# Altium PCB ALCT_MEZ_LX150T.PcbDoc (part 6 of 8) (continued)
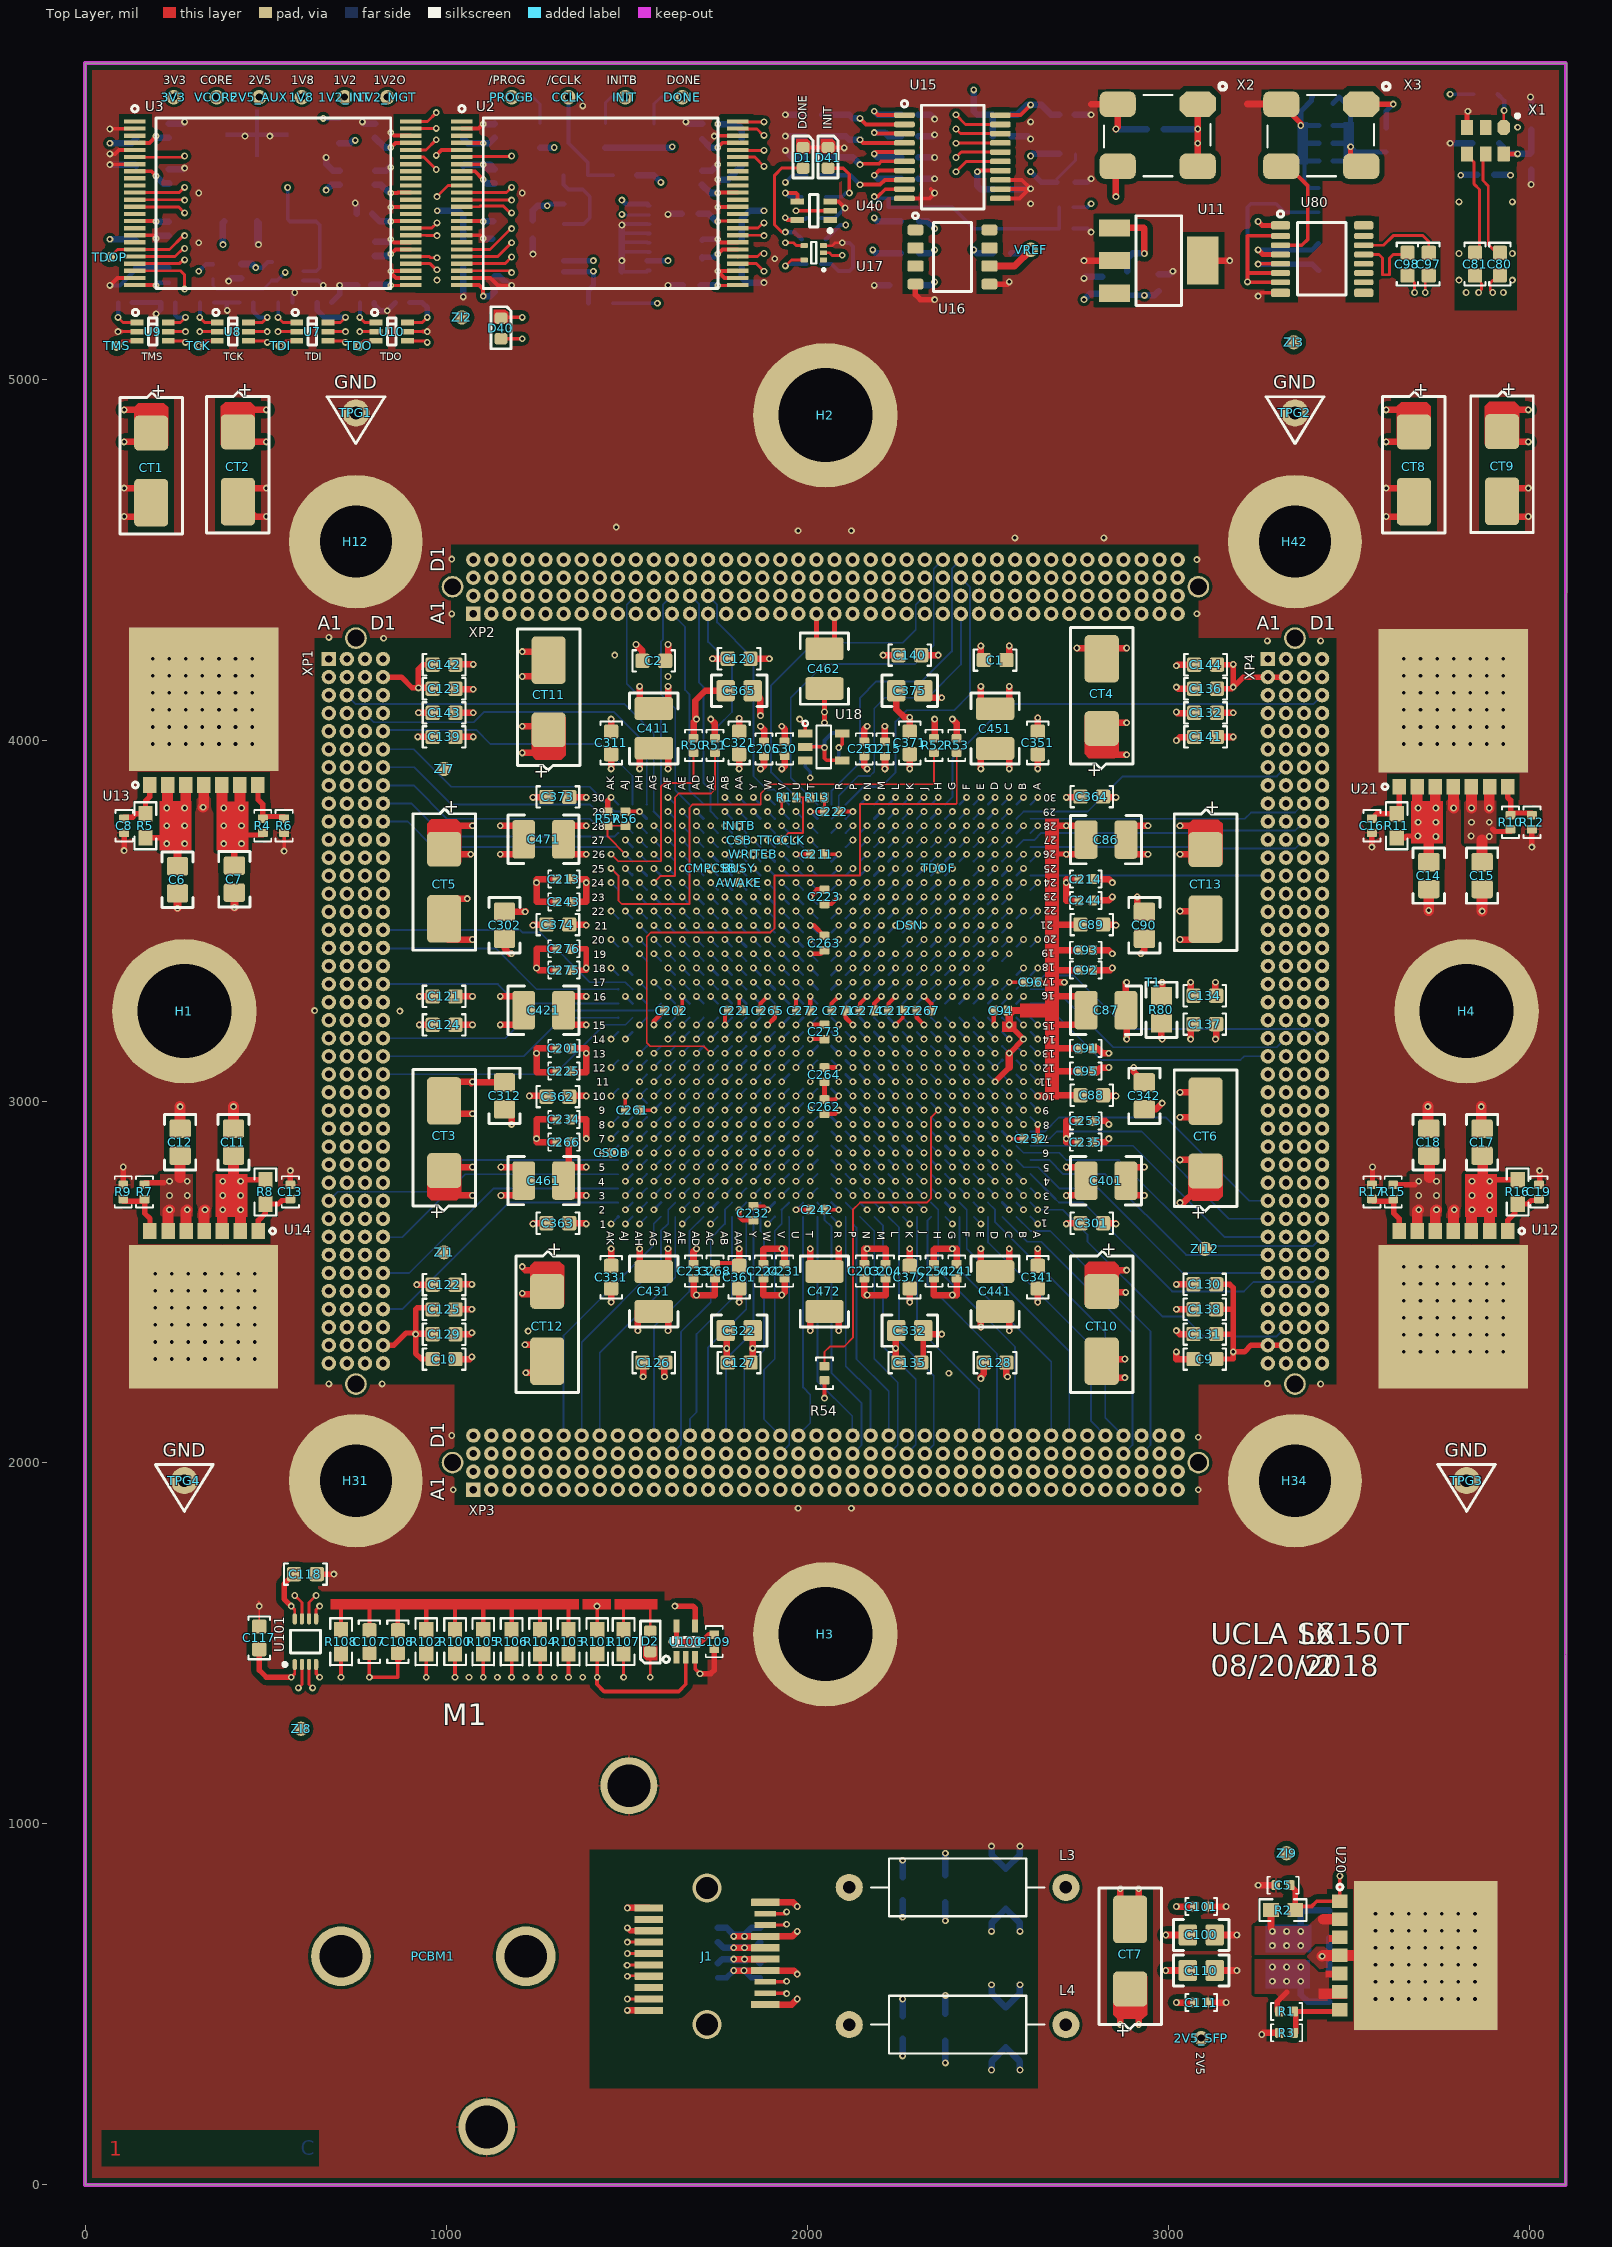
[diagram p0: Top Layer view]
## Nets (pads, with @x,y where several pads share a name; then routed paths per layer and width w, separated by ;. In a path a pad name is that pad's centre, name@x,y a point inside that pad or via, vN(x,y) a via of type N, cw(c..) or ccw(c..) an arc to the next point about the centre after c; other vN are vias at no path point) (continued)
  Bottom Layer w6: U1.K26@2263.78,3664.77 v1(2283.48,3684.45)
XP2D_37: U1.M30 XP2.D37 | length 1150.3
  Mid-Layer 7 w5: v1(2204.72,3841.93) 2195.07,3851.59 2195.07,3970.07 2214.57,3989.57 2519.69,3989.57 2850,4319.89 2850,4475.01 XP2.D37@2875,4500.01
  Bottom Layer w6: U1.M30@2185.04,3822.25 v1(2204.72,3841.93)
XP2D_38: U1.H26 XP2.D38 | length 1264.8
  Mid-Layer 2 w5: v1(2362.2,3684.45) 2382.07,3704.32 2382.07,3851.96 2460.63,3930.52 2460.63,4099.62 2529.53,4168.52 2846.27,4168.52 2903.36,4225.61 2903.36,4301.18 2900,4304.53 2900,4475.01 XP2.D38@2925,4500.01
  Bottom Layer w6: U1.H26@2342.52,3664.77 v1(2362.2,3684.45)
XP3A_3: U1.AB7 XP3.A3 | length 1319.4
  Mid-Layer 5 w5: XP3.A3@1174.41,1924.42 XP3.A3@1175,1923.83 ; XP3.A3@1175,1925.01 1199.5,1949.51 1199.5,2132.97 1247.54,2181.01 1247.54,2333.57 1594.49,2680.52 1700.82,2680.52 1712.79,2692.48 1712.79,2787 1724.22,2798.43 1740,2798.43 1751.79,2810.22 1751.79,2877.18 v1(1771.66,2897.05)
  Bottom Layer w6: v1(1771.66,2897.05) U1.AB7@1791.34,2916.74
XP3A_4: U1.AF3 XP3.A4 | length 1003.6
  Mid-Layer 4 w5: XP3.A4@1225,1925.01 1250.5,1950.51 1250.5,2277.47 1614.18,2641.15 v1(1614.18,2739.57)
  Bottom Layer w6: v1(1614.18,2739.57) U1.AF3@1633.86,2759.26
XP3A_5: U1.AA7 XP3.A5 | length 1298.9
  Mid-Layer 5 w5: XP3.A5@1275,1923.83 XP3.A5@1275.59,1924.42 ; XP3.A5@1275,1925.01 1300,1950.01 1300,2315.18 1625.97,2641.15 1740.18,2641.15 1751.8,2652.77 1751.8,2747.28 1763.58,2759.07 1779.37,2759.07 1791.16,2770.86 1791.16,2877.18 v1(1811.03,2897.05)
  Bottom Layer w6: v1(1811.03,2897.05) U1.AA7@1830.71,2916.74
XP3A_6: U1.AA3 XP3.A6 | length 1086.4
  Mid-Layer 5 w5: XP3.A6@1325,1923.83 XP3.A6@1325.59,1924.42 ; XP3.A6@1325,1925.01 1350,1950.01 1350,2290.85 1670.77,2611.62 1742.13,2611.62 1781.5,2650.99 1781.5,2710.03 v1(1811.03,2739.57)
  Bottom Layer w6: v1(1811.03,2739.57) U1.AA3@1830.71,2759.26
XP3A_7: U1.Y7 XP3.A7 | length 1229.4
  Mid-Layer 5 w5: XP3.A7@1375,1923.83 XP3.A7@1376.18,1925.01 ; XP3.A7@1375,1925.01 XP3.A7@1376.18,1925.01 ; v1(1850.39,2897.05) 1830.89,2877.55 1830.89,2651.17 1751.97,2572.25 1700.3,2572.25 1400,2271.95 1400,1948.83 XP3.A7@1376.18,1925.01
  Bottom Layer w6: v1(1850.39,2897.05) U1.Y7@1870.08,2916.74
XP3A_8: U1.AD2 XP3.A8 | length 934.3
  Mid-Layer 7 w5: XP3.A8@1425,1925.01 1400.5,1949.51 1400.5,2289.68 1673.23,2562.41 1673.23,2621.47 1692.91,2641.15 v1(1692.91,2700.19)
  Bottom Layer w6: v1(1692.91,2700.19) U1.AD2@1712.6,2719.89
XP3A_9: U1.AB9 XP3.A9 | length 1239.1
  Mid-Layer 4 w5: XP3.A9@1475,1923.82 1450.5,1948.32 1450.5,2313.12 1712.6,2575.22 1712.6,2944.3 1724.41,2956.11 1751.98,2956.11 v1(1771.66,2975.78)
  Bottom Layer w6: v1(1771.66,2975.78) U1.AB9@1791.34,2995.48
XP3A_10: U1.AC1 XP3.A10 | length 871
  Mid-Layer 4 w5: XP3.A10@1525,1923.82 1500.5,1948.32 1500.5,2301.1 1732.19,2532.79 v1(1732.19,2660.74)
  Bottom Layer w5: v1(1732.19,2660.74) U1.AC1@1751.97,2680.52
XP3A_11: U1.Y8 XP3.A11 | length 1219.1
  Mid-Layer 5 w5: XP3.A11@1575,1925.01 1601,1951.01 1600,1952.01 1600,2105.32 1665.85,2171.17 1665.85,2348.33 1879.92,2562.41 1879.92,2621.46 1909.28,2650.83 1909.28,2905.13 1897.86,2916.56 1870.25,2916.56 v1(1850.39,2936.42)
  Bottom Layer w6: v1(1850.39,2936.42) U1.Y8@1870.08,2956.11
XP3A_12: U1.AA6 XP3.A12 | length 1092
  Mid-Layer 4 w5: 1612.5,1936.32 XP3.A12@1625,1923.82 ; XP3.A12@1625,1925.01 1600.5,1949.51 1600.5,2155.03 1623.83,2178.36 1623.83,2298.42 1791.34,2465.93 1791.34,2650.8 1830.89,2690.36 1830.89,2837.82 v1(1811.03,2857.68)
  Bottom Layer w6: v1(1811.03,2857.68) U1.AA6@1830.71,2877.37
XP3A_13: U1.V3 XP3.A13 | length 947.7
  Mid-Layer 5 w5: XP3.A13@1675,1925.01 1700,1950.01 1700,2303.75 1909.45,2513.19 1909.45,2611.62 1929.14,2631.31 v1(1929.14,2739.57)
  Bottom Layer w6: v1(1929.14,2739.57) U1.V3@1948.82,2759.26
XP3A_14: U1.AA10 XP3.A14 | length 1241.7
  Mid-Layer 4 w5: XP3.A14@1725,1923.82 1700,1948.82 1700,2212.19 1853.36,2365.56 1853.36,2624.43 1870.08,2641.15 1870.08,2985.64 1860.24,2995.48 1830.7,2995.48 v1(1811.03,3015.15)
  Bottom Layer w6: v1(1811.03,3015.15) U1.AA10@1830.71,3034.85
XP3A_15: U1.V8 XP3.A15 | length 1140.8
  Mid-Layer 5 w5: XP3.A15@1774.41,1924.42 XP3.A15@1775,1923.83 ; XP3.A15@1775,1925.01 1750,1950.01 1750,2257.29 1937.19,2444.48 ; v1(1929.14,2936.42) 1948.65,2916.91 1948.65,2513.03 ; 1937.21,2444.48 1948.63,2455.9 1948.63,2513.01
  Bottom Layer w6: v1(1929.14,2936.42) U1.V8@1948.82,2956.11
XP3A_16: U1.W5 XP3.A16 | length 1013
  Mid-Layer 4 w5: XP3.A16@1825,1925.01 1849.5,1949.51 1849.5,2138.28 1948.82,2237.6 1948.82,2786.83 1937.22,2798.43 1909.64,2798.43 v1(1889.78,2818.3)
  Bottom Layer w6: v1(1889.78,2818.3) U1.W5@1909.45,2838
XP3A_17: U1.W10 XP3.A17 | length 1323.2
  Mid-Layer 5 w5: XP3.A17@1874.41,1924.42 XP3.A17@1875,1923.83 ; XP3.A17@1875,1925.01 1850,1950.01 1850,2168.31 2027.56,2345.87 2027.56,2985.64 2017.54,2995.65 1909.28,2995.65 v1(1889.78,3015.15)
  Bottom Layer w6: v1(1889.78,3015.15) U1.W10@1909.45,3034.85
XP3A_18: U1.U5 XP3.A18 | length 956.3
  Mid-Layer 4 w5: XP3.A18@1925,1923.82 XP3.A18@1925.59,1924.41 ; XP3.A18@1925,1925.01 1950,1950.01 1950,2169.89 1988.19,2208.08 1988.19,2798.62 v1(1968.51,2818.3)
  Bottom Layer w6: v1(1968.51,2818.3) U1.U5@1988.19,2838
XP3A_20: U1.T9 XP3.A20 | length 1121.6
  Mid-Layer 4 w5: v1(2007.88,2975.78) 2037.4,2946.26 2037.4,2641.15 2066.93,2611.62 2066.93,2124.58 2050,2107.65 2050,1948.82 XP3.A20@2025,1923.82
  Bottom Layer w6: v1(2007.88,2975.78) U1.T9@2027.56,2995.48
XP3A_21: U1.N9 XP3.A21 | length 1216
  Mid-Layer 5 w5: XP3.A21@2074.41,1924.42 XP3.A21@2075,1923.83 ; XP3.A21@2075,1925.01 2050,1950.01 2050,2099.8 2067.11,2116.91 2067.11,2983.85 2078.56,2995.29 2145.85,2995.29 v1(2165.36,2975.78)
  Bottom Layer w6: U1.N9@2145.68,2995.47 v1(2165.36,2975.78)
XP3A_23: U1.N8 XP3.A23 | length 1109
  Mid-Layer 5 w5: v1(2165.36,2936.42) 2164.99,2936.42 2145.13,2916.55 2117.92,2916.55 2106.49,2905.13 2106.49,2188.2 2150,2144.69 2150,1950.01 XP3.A23@2175,1925.01 ; XP3.A23@2174.41,1924.42 XP3.A23@2175,1923.83
  Bottom Layer w6: U1.N8@2145.68,2956.1 v1(2165.36,2936.42)
XP3A_24: U1.N7 XP3.A24 | length 1043.1
  Mid-Layer 5 w5: v1(2165.36,2897.05) 2145.85,2877.54 2145.85,2237.42 2200,2183.27 2200,1948.83 XP3.A24@2223.82,1925.01 ; XP3.A24@2225,1923.83 XP3.A24@2223.82,1925.01 ; XP3.A24@2225,1925.01 XP3.A24@2223.82,1925.01
  Bottom Layer w6: U1.N7@2145.68,2916.73 v1(2165.36,2897.05)
XP3A_25: U1.R3 XP3.A25 | length 920.4
  Mid-Layer 4 w5: v1(2086.63,2739.57) 2135.83,2690.37 2135.83,2318.29 2250.5,2203.62 2250.5,1949.51 XP3.A25@2275,1925.01
  Bottom Layer w6: U1.R3@2066.93,2759.26 v1(2086.63,2739.57)
XP3A_26: U1.M7 XP3.A26 | length 1066.8
  Mid-Layer 4 w5: v1(2204.73,2897.05) 2185.04,2877.36 2185.04,2345.87 2299.5,2231.41 2299.5,1950.51 XP3.A26@2325,1925.01 ; XP3.A26@2324.41,1924.42 XP3.A26@2325,1923.83
  Bottom Layer w6: U1.M7@2185.04,2916.74 v1(2204.73,2897.05)
XP3A_27: U1.M2 XP3.A27 | length 874.7
  Mid-Layer 5 w5: v1(2204.72,2700.2) 2204.72,2660.83 2214.57,2650.99 2214.57,2390.16 2350.5,2254.23 2350.5,1948.32 XP3.A27@2375,1923.82
  Bottom Layer w6: U1.M2@2185.04,2719.89 v1(2204.72,2700.2)
XP3A_28: U1.K1 XP3.A28 | length 838.9
  Mid-Layer 4 w5: v1(2283.46,2660.83) 2303.15,2641.15 2303.15,2532.88 2419,2417.03 2419,2108.97 2400,2089.97 2400,1950.01 XP3.A28@2425,1925.01 ; XP3.A28@2424.41,1924.42 XP3.A28@2425,1923.83
  Bottom Layer w5: U1.K1@2263.78,2680.52 v1(2283.46,2660.83)
XP3A_29: U1.L10 XP3.A29 | length 1229.3
  Mid-Layer 5 w5: v1(2244.09,3015.15) 2224.59,2995.65 2224.59,2685.26 2239.17,2670.67 2239.17,2439.38 2450,2228.55 2450,1948.83 XP3.A29@2473.82,1925.01
  Bottom Layer w6: U1.L10@2224.41,3034.85 v1(2244.09,3015.15)
XP3A_30: U1.K11 XP3.A30 | length 1275.9
  Mid-Layer 5 w5: v1(2283.48,3054.53) 2263.96,3035.02 2263.96,2708.28 2263.96,2692.13 2263.96,2491.37 2500,2255.34 2500,1948.83 XP3.A30@2523.82,1925.01 ; XP3.A30@2525,1923.83 XP3.A30@2523.82,1925.01 ; XP3.A30@2525,1925.01 XP3.A30@2523.82,1925.01
  Bottom Layer w6: U1.K11@2263.78,3074.22 v1(2283.48,3054.53)
XP3A_31: U1.K10 XP3.A31 | length 1259.9
  Mid-Layer 5 w5: v1(2283.48,3015.15) 2302.98,2995.65 2302.98,2516.34 2599.5,2219.82 2599.5,1949.51 XP3.A31@2575,1925.01 ; XP3.A31@2574.41,1924.42 XP3.A31@2575,1923.83
  Bottom Layer w6: U1.K10@2263.78,3034.85 v1(2283.48,3015.15)
XP3A_32: U1.J8 XP3.A32 | length 1166.6
  Mid-Layer 4 w5: v1(2322.84,2936.42) 2342.34,2916.92 2342.34,2720.06 2362.2,2700.2 2362.2,2589.98 2534.63,2417.56 2534.63,2183.29 2599.5,2118.42 2599.5,1951.67 2598.33,1950.5 XP3.A32@2625,1923.83
  Bottom Layer w6: U1.J8@2303.15,2956.11 v1(2322.84,2936.42)
XP3A_33: U1.J10 XP3.A33 | length 1264.7
  Mid-Layer 5 w5: v1(2322.84,3015.15) 2342.34,2995.65 2342.34,2552.74 2650,2245.08 2650,1950.01 XP3.A33@2675,1925.01 ; XP3.A33@2674.41,1924.42 XP3.A33@2675,1923.83
  Bottom Layer w6: U1.J10@2303.15,3034.85 v1(2322.84,3015.15)
XP3A_34: U1.H7 XP3.A34 | length 1150.2
  Mid-Layer 5 w5: v1(2362.21,2897.05) 2382.07,2877.19 2382.07,2583.86 2700,2265.93 2700,1950.01 XP3.A34@2725,1925.01
  Bottom Layer w6: U1.H7@2342.52,2916.74 v1(2362.21,2897.05)
XP3A_35: U1.H8 XP3.A35 | length 1226.4
  Mid-Layer 5 w5: v1(2362.21,2936.42) 2382.08,2916.55 2409.65,2916.55 2421.08,2905.13 2421.08,2621.64 2750,2292.72 2750,1950.01 XP3.A35@2775,1925.01
  Bottom Layer w6: U1.H8@2342.52,2956.11 v1(2362.21,2936.42)
XP3A_36: U1.K12 XP3.A36 | length 1461.4
  Mid-Layer 7 w5: v1(2283.48,3093.9) 2303.16,3074.22 2372.05,3074.22 2381.89,3064.38 2381.89,2511.24 2800,2093.13 2800,1950.01 XP3.A36@2825,1925.01
  Bottom Layer w6: U1.K12@2263.78,3113.59 v1(2283.48,3093.9)
XP3A_37: U1.G5 XP3.A37 | length 1118.1
  Mid-Layer 2 w5: v1(2401.58,2818.3) 2421.44,2798.44 2421.44,2690.18 2850,2261.62 2850,1950.01 XP3.A37@2875,1925.01 ; XP3.A37@2874.41,1924.42 XP3.A37@2875,1923.83
  Bottom Layer w6: U1.G5@2381.89,2838 v1(2401.58,2818.3)
XP3A_38: U1.G7 XP3.A38 | length 1216.7
  Mid-Layer 7 w5: v1(2401.58,2897.05) 2421.26,2877.37 2421.26,2567.33 2900,2088.59 2900,1950.01 XP3.A38@2925,1925.01
  Bottom Layer w6: U1.G7@2381.89,2916.74 v1(2401.58,2897.05)
XP3B_3: U1.AE3 XP3.B3 | length 991.5
  Mid-Layer 2 w5: XP3.B3@1175,1973.83 XP3.B3@1175.59,1974.42 ; XP3.B3@1175,1975.01 1199.5,1999.51 1199.5,2149.68 1633.67,2583.86 1633.67,2719.68 v1(1653.56,2739.57)
  Bottom Layer w6: v1(1653.56,2739.57) U1.AE3@1673.23,2759.26
XP3B_4: U1.AE5 XP3.B4 | length 1065.6
  Mid-Layer 2 w5: XP3.B4@1225,1973.83 XP3.B4@1225.59,1974.42 ; XP3.B4@1225,1975.01 1250,2000.01 1250,2119.49 1673.06,2542.55 1673.06,2798.8 v1(1653.56,2818.3)
  Bottom Layer w6: v1(1653.56,2818.3) U1.AE5@1673.23,2838
XP3B_5: U1.AD6 XP3.B5 | length 1120.1
  Mid-Layer 7 w5: XP3.B5@1275,1975.01 1250.5,1999.51 1250.5,2265.68 1614.86,2630.04 1614.86,2671.36 1633.68,2690.17 1633.68,2825.99 1645.87,2838.18 1673.43,2838.18 v1(1692.93,2857.68)
  Bottom Layer w6: v1(1692.93,2857.68) U1.AD6@1712.6,2877.37
XP3B_6: U1.AE1 XP3.B6 | length 892.1
  Mid-Layer 7 w5: 1310.49,1989.51 1300.5,1999.5 ; XP3.B6@1325,1975.01 1300.5,1999.51 ; v1@1645.65,2660.83 v1(1653.54,2660.83) 1643.7,2650.99 1643.7,2591.93 1300.5,2248.73 1300.5,1999.51
  Bottom Layer w6: v1@1653.54,2660.82 U1.AE1@1673.23,2680.52
XP3B_7: U1.AC5 XP3.B7 | length 1020
  Mid-Layer 2 w5: XP3.B7@1375,1973.83 XP3.B7@1375.59,1974.42 ; XP3.B7@1375,1975.01 1400,2000.01 1400,2123.81 1712.43,2436.24 1712.43,2795.94 1732.29,2815.8 v1(1732.29,2818.3)
  Bottom Layer w6: v1(1732.29,2818.3) U1.AC5@1751.98,2837.98
XP3B_8: U1.AB6 XP3.B8 | length 1054.9
  Mid-Layer 2 w5: XP3.B8@1425,1973.83 XP3.B8@1425.59,1974.42 ; XP3.B8@1425,1975.01 1450,2000.01 1450,2112.8 1751.8,2414.6 1751.8,2837.83 v1(1771.66,2857.68)
  Bottom Layer w6: v1(1771.66,2857.68) U1.AB6@1791.34,2877.37
XP3B_9: U1.AA5 XP3.B9 | length 1011.2
  Mid-Layer 2 w5: XP3.B9@1475,1973.83 XP3.B9@1475.59,1974.42 ; XP3.B9@1475,1975.01 1500,2000.01 1500,2105.7 1791.17,2396.86 1791.17,2798.44 v1(1811.03,2818.3)
  Bottom Layer w6: v1(1811.03,2818.3) U1.AA5@1830.71,2838
XP3B_10: U1.Y6 XP3.B10 | length 1045.3
  Mid-Layer 2 w5: XP3.B10@1525,1975.01 1550,2000.01 1550,2117.35 1830.54,2397.88 1830.54,2837.83 v1(1850.39,2857.68)
  Bottom Layer w6: v1(1850.39,2857.68) U1.Y6@1870.08,2877.37
XP3B_11: U1.V4 XP3.B11 | length 979.3
  Mid-Layer 1 w5: XP3.B11@1574.41,1974.42 XP3.B11@1575,1973.82 ; XP3.B11@1575,1975.01 1600,2000.01 1600,2112.19 1908.76,2420.96 1908.76,2591.93 1909.41,2592.58 1909.41,2759.2 v1(1929.14,2778.93)
  Bottom Layer w6: v1(1929.14,2778.93) U1.V4@1948.83,2798.62
XP3B_12: U1.U3 XP3.B12 | length 936.4
  Mid-Layer 1 w5: XP3.B12@1625,1973.82 1625.98,1973.82 1650,1997.84 1650,2090.34 1949,2389.34 1949,2720.06 v1(1968.51,2739.57)
  Bottom Layer w6: v1(1968.51,2739.57) U1.U3@1988.19,2759.26
XP3B_13: U1.W6 XP3.B13 | length 1021
  Mid-Layer 2 w5: XP3.B13@1674.41,1974.42 XP3.B13@1675,1973.83 ; XP3.B13@1675,1975.01 1650,2000.01 1650,2155.32 1869.9,2375.22 1869.9,2837.81 v1(1889.78,2857.68)
  Bottom Layer w6: v1(1889.78,2857.68) U1.W6@1909.45,2877.37
XP3B_14: U1.U7 XP3.B14 | length 1051.6
  Mid-Layer 2 w5: XP3.B14@1725,1973.83 XP3.B14@1725.59,1974.42 ; XP3.B14@1725,1975.01 1749.5,1999.51 1749.5,2126.87 1948.65,2326.02 1948.65,2877.19 v1(1968.51,2897.05)
  Bottom Layer w6: v1(1968.51,2897.05) U1.U7@1988.19,2916.74
XP3B_15: U1.U6 XP3.B15 | length 1007.7
  Mid-Layer 2 w5: XP3.B15@1775,1973.83 XP3.B15@1775.59,1974.42 ; XP3.B15@1775,1975.01 1800.5,2000.51 1800.5,2118.81 1988.01,2306.32 1988.01,2838.18 v1(1968.51,2857.68)
  Bottom Layer w6: v1(1968.51,2857.68) U1.U6@1988.19,2877.37
XP3B_16: U1.T6 XP3.B16 | length 1002.6
  Mid-Layer 7 w5: XP3.B16@1825,1975.01 1850,2000.01 1850,2099.41 2027.56,2276.98 2027.56,2838.13 v1@2008,2857.68 ; v1(2007.88,2857.68) v1@2007.94,2857.62
  Bottom Layer w6: v1(2007.88,2857.68) U1.T6@2027.56,2877.37
XP3B_17: U1.U4 XP3.B17 | length 907.5
  Mid-Layer 1 w5: XP3.B17@1875,1975.01 1850,2000.01 1850,2197.84 1988.14,2335.98 1988.14,2759.3 v1(1968.51,2778.93)
  Bottom Layer w6: v1(1968.51,2778.93) U1.U4@1988.19,2798.62
XP3B_18: U1.R5 XP3.B18 | length 958.8
  Mid-Layer 1 w5: XP3.B18@1925,1975.01 1900,2000.01 1900,2100.02 2067.11,2267.13 2067.11,2798.79 v1(2086.63,2818.3)
  Bottom Layer w6: U1.R5@2066.93,2838 v1(2086.63,2818.3)
XP3B_19: U1.R4 XP3.B19 | length 914.9
  Mid-Layer 1 w5: XP3.B19@1975,1975.01 1975,1975.2 1950,2000.2 1950,2106.76 2106.14,2262.9 2106.14,2759.43 v1(2086.63,2778.93)
  Bottom Layer w6: U1.R4@2066.94,2798.62 v1(2086.63,2778.93)
XP3B_20: U1.T7 XP3.B20 | length 1000
  Mid-Layer 2 w5: v1(2007.88,2897.05) 2027.56,2897.05 2037.4,2887.21 2037.4,2710.05 2027.74,2700.39 2027.74,2424.61 2027.56,2424.61 2027.56,2257.29 2000.5,2230.23 2000.5,1999.51 XP3.B20@2025,1975.01 ; XP3.B20@2025,1973.83 XP3.B20@2025.59,1974.42
  Bottom Layer w6: v1(2007.88,2897.05) U1.T7@2027.56,2916.74
XP3B_21: U1.T8 XP3.B21 | length 1067.4
  Mid-Layer 2 w5: v1(2007.88,2936.42) 2057.09,2936.42 2066.93,2926.58 2066.93,2336.03 2100,2302.96 2100,2000.01 XP3.B21@2075,1975.01 ; XP3.B21@2075,1973.83 XP3.B21@2075.59,1974.42
  Bottom Layer w6: v1(2007.88,2936.42) U1.T8@2027.56,2956.11
XP3B_22: U1.P3 XP3.B22 | length 813.9
  Mid-Layer 1 w5: XP3.B22@2125,1973.83 2125.59,1974.42 2150,1998.83 2150,2233.27 2135.83,2247.45 2135.83,2631.32 2125.99,2641.15 v1(2125.99,2739.57)
  Bottom Layer w6: U1.P3@2106.3,2759.26 v1(2125.99,2739.57)
XP3B_23: U1.P4 XP3.B23 | length 874
  Mid-Layer 1 w5: v1(2125.99,2778.93) 2145.85,2759.08 2145.85,2670.5 2185.04,2631.3 2185.04,2257.29 2200,2242.33 2200,1998.83 2175.59,1974.42 XP3.B23@2175,1973.83
  Bottom Layer w6: U1.P4@2106.31,2798.62 v1(2125.99,2778.93)
XP3B_24: U1.N3 XP3.B24 | length 838.9
  Mid-Layer 1 w5: v1@2165.48,2739.57 2184.86,2720.18 2184.86,2680.7 2214.57,2650.99 2214.57,2296.66 2250,2261.23 2250,1998.83 2225.59,1974.42 XP3.B24@2225,1973.83
  Bottom Layer w6: U1.N3@2145.68,2759.25 v1(2165.36,2739.57)
XP3B_25: U1.R6 XP3.B25 | length 988.5
  Mid-Layer 7 w5: v1(2086.63,2857.68) 2106.3,2838.01 2106.3,2265.18 2250,2121.48 2250,2000.01 XP3.B25@2275,1975.01
  Bottom Layer w6: U1.R6@2066.93,2877.37 v1(2086.63,2857.68)
XP3B_26: U1.M3 XP3.B26 | length 865.8
  Mid-Layer 1 w5: v1(2204.73,2739.57) 2224.41,2719.89 2224.41,2680.52 2244.09,2660.83 2244.09,2345.87 2350,2239.97 2350,1998.82 XP3.B26@2325.59,1974.41 ; XP3.B26@2326.18,1975.01 XP3.B26@2325.59,1974.42 ; XP3.B26@2325.59,1974.42 2325,1973.83 XP3.B26@2325.59,1974.41
  Bottom Layer w6: U1.M3@2185.04,2759.26 v1(2204.73,2739.57)
XP3B_27: U1.R1 XP3.B27 | length 836.4
  Mid-Layer 2 w5: v1(2086.61,2660.82) 2086.61,2631.3 2106.3,2611.62 2106.3,2343.71 2200,2250.01 2204.12,2250.01 2349.5,2104.62 2349.5,2000.51 XP3.B27@2375,1975.01 ; XP3.B27@2374.41,1974.42 XP3.B27@2375,1973.83
  Bottom Layer w6: U1.R1@2066.93,2680.52 v1@2086.61,2660.83
XP3B_28: U1.N4 XP3.B28 | length 940.2
  Mid-Layer 7 w5: v1(2165.36,2778.93) 2185.04,2759.25 2185.04,2347.82 2401.57,2131.29 2401.57,2086.23 2400.5,2085.16 2400.5,1999.51 XP3.B28@2425,1975.01
  Bottom Layer w6: U1.N4@2145.68,2798.62 v1(2165.36,2778.93)
XP3B_29: U1.P7 XP3.B29 | length 1114
  Mid-Layer 2 w5: v1(2125.99,2897.05) 2106.49,2877.54 2106.49,2731.49 2107.22,2730.75 2107.22,2669.75 2145.67,2631.3 2145.67,2387.19 2236.02,2296.84 2237.81,2296.84 2450,2084.66 2450,1998.83 XP3.B29@2473.82,1975.01 ; XP3.B29@2475,1973.83 XP3.B29@2473.82,1975.01 ; XP3.B29@2475,1975.01 XP3.B29@2473.82,1975.01
  Bottom Layer w6: U1.P7@2106.3,2916.74 v1(2125.99,2897.05)
XP3B_30: U1.P6 XP3.B30 | length 1076.7
  Mid-Layer 2 w5: v1(2125.99,2857.68) 2145.85,2837.83 2145.85,2680.34 2185.04,2641.15 2185.04,2414.77 2499.82,2099.99 2500,2099.99 2500,2000.01 XP3.B30@2525,1975.01 ; XP3.B30@2524.41,1974.42 XP3.B30@2525,1973.83
  Bottom Layer w6: U1.P6@2106.3,2877.37 v1(2125.99,2857.68)
XP3B_31: U1.K2 XP3.B31 | length 882.9
  Mid-Layer 2 w5: XP3.B31@2574.41,1974.42 XP3.B31@2575,1973.83
  Mid-Layer 7 w5: v1(2283.46,2700.2) 2308.07,2675.59 2308.07,2451.68 2550.5,2209.25 2550.5,1985.33 2560.83,1975.01 XP3.B31@2575,1975.01
  Bottom Layer w6: U1.K2@2263.78,2719.89 v1(2283.46,2700.2)
XP3B_32: U1.L6 XP3.B32 | length 1087
  Mid-Layer 2 w5: v1(2244.09,2857.68) 2224.59,2838.18 2224.59,2460.07 2600.5,2084.16 2600.5,2075.2 ; 2600,2075.2 2600,1998.83 XP3.B32@2623.82,1975.01 ; XP3.B32@2625,1973.83 XP3.B32@2623.82,1975.01 ; XP3.B32@2625,1975.01 XP3.B32@2623.82,1975.01
  Bottom Layer w6: U1.L6@2224.41,2877.37 v1(2244.09,2857.68)
XP3B_33: U1.L5 XP3.B33 | length 1052.6
  Mid-Layer 2 w5: v1(2244.09,2818.3) 2263.96,2798.43 2263.96,2708.28 2263.96,2692.13 2263.96,2554.33 2561.19,2257.1 2562.21,2257.1 2573.63,2245.68 2573.63,2244.66 2650,2168.3 2650,1998.83 XP3.B33@2673.82,1975.01 ; XP3.B33@2675,1973.83 XP3.B33@2673.82,1975.01 ; XP3.B33@2675,1975.01 XP3.B33@2673.82,1975.01
  Bottom Layer w6: U1.L5@2224.41,2838 v1(2244.09,2818.3)
XP3B_34: U1.J6 XP3.B34 | length 1095.6
  Mid-Layer 2 w5: v1(2322.84,2857.68) 2303.33,2838.17 2303.33,2591.76 2700,2195.08 2700,1998.83 XP3.B34@2723.82,1975.01 ; XP3.B34@2725,1973.83 XP3.B34@2723.82,1975.01 ; XP3.B34@2725,1975.01 XP3.B34@2723.82,1975.01
  Bottom Layer w6: U1.J6@2303.15,2877.37 v1(2322.84,2857.68)
XP3B_35: U1.J5 XP3.B35 | length 1059.3
  Mid-Layer 2 w5: v1(2322.84,2818.3) 2342.7,2798.44 2342.7,2621.28 2750,2213.98 2750,2000.01 XP3.B35@2775,1975.01 ; XP3.B35@2774.41,1974.42 XP3.B35@2775,1973.83
  Bottom Layer w6: U1.J5@2303.15,2838 v1(2322.84,2818.3)
XP3B_36: U1.H6 XP3.B36 | length 1103
  Mid-Layer 2 w5: v1(2362.21,2857.68) 2382.07,2837.83 2382.07,2650.81 2800,2232.88 2800,2000.01 XP3.B36@2825,1975.01 ; XP3.B36@2824.41,1974.42 XP3.B36@2825,1973.83
  Bottom Layer w6: U1.H6@2342.52,2877.37 v1(2362.21,2857.68)
XP3B_37: U1.F3 XP3.B37 | length 975.1
  Mid-Layer 1 w5: v1(2440.94,2739.57) 2460.63,2719.88 2460.63,2503.35 2850.5,2113.48 2850,2112.98 2850,2000.01 XP3.B37@2875,1975.01 ; XP3.B37@2875.59,1974.41 2875,1973.82 XP3.B37@2876.18,1975.01
  Bottom Layer w6: U1.F3@2421.26,2759.26 v1(2440.94,2739.57)
XP3B_38: U1.E3 XP3.B38 | length 977.4
  Mid-Layer 1 w5: v1(2480.33,2739.57) 2500.7,2719.2 2500.7,2533.96 2900,2134.66 2900,2000.01 XP3.B38@2925,1975.01 ; XP3.B38@2925,1973.82 XP3.B38@2925.59,1974.41
  Bottom Layer w6: U1.E3@2460.63,2759.26 v1(2480.33,2739.57)
XP3C_3: U1.AC4 XP3.C3 | length 1074.2
  Mid-Layer 1 w5: XP3.C3@1174.41,2024.42 XP3.C3@1175,2023.82 ; XP3.C3@1175,2025.01 1199.5,2049.51 1199.5,2247.45 1198.51,2248.43 1198.51,2280.47 1529.66,2611.62 1631.92,2611.62 1712.79,2692.49 1712.79,2759.43 v1(1732.29,2778.93)
  Bottom Layer w6: v1(1732.29,2778.93) U1.AC4@1751.98,2798.62
XP3C_4: U1.AC3 XP3.C4 | length 992.9
  Mid-Layer 1 w5: XP3.C4@1225,2023.82 1250,2048.82 1250,2188.39 1673.04,2611.43 1712.41,2611.43 1751.8,2650.82 1751.8,2720.06 v1(1732.29,2739.57)
  Bottom Layer w6: v1(1732.29,2739.57) U1.AC3@1751.98,2759.25
XP3C_5: U1.AB3 XP3.C5 | length 950.1
  Mid-Layer 1 w5: XP3.C5@1274.41,2024.42 1275,2023.83 1300,2048.82 1300,2162.62 1771.66,2634.28 v1(1771.66,2739.57)
  Bottom Layer w6: v1(1771.66,2739.57) U1.AB3@1791.34,2759.26
XP3C_6: U1.AB4 XP3.C6 | length 983
  Mid-Layer 1 w5: XP3.C6@1325,2025.01 1350,2050.01 1350,2148.65 1791.29,2589.94 1791.29,2759.3 v1(1771.66,2778.93)
  Bottom Layer w6: v1(1771.66,2778.93) U1.AB4@1791.34,2798.62
XP3C_7: U1.AA4 XP3.C7 | length 979.7
  Mid-Layer 1 w5: XP3.C7@1375,2023.82 1400,2048.82 1400,2119.91 1830.53,2550.44 1830.53,2759.43 v1(1811.03,2778.93)
  Bottom Layer w6: v1(1811.03,2778.93) U1.AA4@1830.71,2798.62
XP3C_8: U1.AC6 XP3.C8 | length 987.8
  Mid-Layer 7 w5: XP3.C8@1425,2025.01 1449.5,2049.51 1449.5,2252.05 1712.6,2515.14 1712.6,2837.99 v1(1732.29,2857.68)
  Bottom Layer w6: v1(1732.29,2857.68) U1.AC6@1751.98,2877.37
XP3C_9: U1.W3 XP3.C9 | length 915.4
  Mid-Layer 1 w5: XP3.C9@1475,2023.82 1475.59,2024.41 1500,2048.82 1500,2084.66 1860.24,2444.89 1860.24,2710.03 v1(1889.78,2739.57)
  Bottom Layer w6: v1(1889.78,2739.57) U1.W3@1909.45,2759.26
XP3C_10: U1.AA9 XP3.C10 | length 1097.1
  Mid-Layer 4 w5: XP3.C10@1525,2025.01 1550.01,2050.02 1550.01,2163.6 1564.78,2178.36 1564.78,2288.58 1761.81,2485.62 1761.81,2680.52 1791.34,2710.05 1791.34,2956.09 v1(1811.03,2975.78)
  Bottom Layer w6: v1(1811.03,2975.78) U1.AA9@1830.71,2995.48
XP3C_11: U1.W7 XP3.C11 | length 1078.3
  Mid-Layer 5 w5: XP3.C11@1575,2025.01 1550.5,2049.51 1550.5,2164.09 1569.88,2183.47 1569.88,2368.53 1734.23,2532.88 1781.5,2532.88 1850.39,2601.78 1850.39,2670.67 1870.08,2690.36 1870.08,2877.35 v1(1889.78,2897.05)
  Bottom Layer w6: v1(1889.78,2897.05) U1.W7@1909.45,2916.74
XP3C_12: U1.AB2 XP3.C12 | length 764.6
  Bottom Layer w5: XP3.C12@1625,2023.83 XP3.C12@1625.59,2024.42 ; XP3.C12@1625,2025.01 1650,2050.01 1650,2362.01 1732.28,2444.3 1732.28,2621.46 1771.65,2660.83 1771.65,2700.19 U1.AB2@1791.34,2719.89
XP3C_13: U1.V7 XP3.C13 | length 1005.2
  Mid-Layer 2 w5: XP3.C13@1675,2025.01 1700.5,2050.51 1700.5,2136.92 1909.28,2345.71 1909.28,2877.19 v1(1929.14,2897.05)
  Bottom Layer w6: v1(1929.14,2897.05) U1.V7@1948.82,2916.74
XP3C_14: U1.W1 XP3.C14 | length 731.9
  Mid-Layer 4 w5: XP3.C14@1725,2025.01 1750.5,2050.51 1750.5,2190.84 1879.92,2320.26 1879.92,2621.46 1889.76,2631.3 v1(1889.76,2660.83)
  Bottom Layer w6: v1(1889.76,2660.83) U1.W1@1909.45,2680.52
XP3C_15: U1.W4 XP3.C15 | length 845.6
  Mid-Layer 4 w5: XP3.C15@1775,2025.01 1800.5,2050.51 1800.5,2168.03 1909.45,2276.97 1909.45,2759.26 v1(1889.78,2778.93)
  Bottom Layer w6: v1(1889.78,2778.93) U1.W4@1909.46,2798.62
XP3C_16: U1.V9 XP3.C16 | length 1108.2
  Mid-Layer 5 w5: XP3.C16@1824.41,2024.42 XP3.C16@1825,2023.83 ; XP3.C16@1825,2025.01 1800,2050.01 1800,2227.26 1987.51,2414.77 1987.51,2670.67 1988.01,2671.17 1988.01,2944.28 1988,2944.5 1976.58,2955.92 1949,2955.92 v1(1929.14,2975.78)
  Bottom Layer w6: v1(1929.14,2975.78) U1.V9@1948.82,2995.48
XP3C_17: U1.R7 XP3.C17 | length 987.5
  Mid-Layer 7 w5: XP3.C17@1875,2025.01 1900,2050.01 1900,2084.66 2066.93,2251.59 2066.93,2877.35 v1(2086.63,2897.05)
  Bottom Layer w6: U1.R7@2066.93,2916.74 v1(2086.63,2897.05)
XP3C_18: U1.V1 XP3.C18 | length 667.2
  Bottom Layer w5: XP3.C18@1925,2023.83 XP3.C18@1925.59,2024.42 ; XP3.C18@1925,2025.01 1950,2050.01 1950,2679.34 U1.V1@1948.82,2680.52
XP3C_19: U1.T3 XP3.C19 | length 772.2
  Mid-Layer 4 w5: XP3.C19@1975,2025.01 1999.5,2049.51 1999.5,2120.96 2027.37,2148.84 2027.37,2601.96 2007.88,2621.45 v1(2007.88,2739.58)
  Bottom Layer w6: v1(2007.88,2739.58) U1.T3@2027.56,2759.26
XP3C_22: U1.T2 XP3.C22 | length 758
  Bottom Layer w5: U1.T2@2027.56,2719.89 2047.19,2700.26 2047.19,2672.67 2066.93,2652.93 2066.93,2247.45 2150,2164.38 2150,2048.82 2125,2023.82 XP3.C22@2124.41,2024.42
XP3C_23: U1.V10 XP3.C23 | length 1216.7
  Mid-Layer 4 w5: v1(1929.14,3015.15) 1948.62,3034.65 2047.44,3034.65 2066.93,3015.16 2066.93,2652.93 2106.3,2613.56 2106.3,2208.08 2150.5,2163.88 2150.5,2049.51 XP3.C23@2175,2025.01
  Bottom Layer w6: v1(1929.14,3015.15) U1.V10@1948.82,3034.85
XP3C_24: U1.N1 XP3.C24 | length 711.1
  Bottom Layer w5: U1.N1@2145.67,2680.52 2184.85,2641.33 2184.85,2287 2250,2221.86 2250,2048.82 2225,2023.82 XP3.C24@2224.41,2024.42
XP3C_25: U1.M1 XP3.C25 | length 713.5
  Bottom Layer w5: U1.M1@2185.04,2680.52 2209.65,2655.92 2209.65,2321.27 2300,2230.91 2300,2050.01 XP3.C25@2275,2025.01
XP3C_26: U1.L1 XP3.C26 | length 718.7
  Bottom Layer w5: U1.L1@2224.41,2680.52 2253.94,2650.99 2253.94,2336.03 2350,2239.97 2350,2050.01 XP3.C26@2325,2025.01 ; XP3.C26@2324.41,2024.42 XP3.C26@2325,2023.82
XP3C_27: U1.N5 XP3.C27 | length 924.1
  Mid-Layer 7 w5: v1(2165.36,2818.3) 2145.85,2798.79 2145.85,2308.27 2350.5,2103.62 2350.5,2049.51 XP3.C27@2375,2025.01
  Bottom Layer w6: U1.N5@2145.68,2837.98 v1(2165.36,2818.3)
XP3C_28: U1.L4 XP3.C28 | length 932.8
  Mid-Layer 4 w5: v1(2244.09,2778.93) 2263.59,2798.43 2291.55,2798.43 2302.98,2787.01 2302.98,2692.49 2324.79,2670.68 2324.79,2568.35 2450,2443.13 2450,2050.01 XP3.C28@2425,2025.01
  Bottom Layer w6: U1.L4@2224.41,2798.62 v1(2244.09,2778.93)
XP3C_29: U1.K3 XP3.C29 | length 858.2
  Mid-Layer 7 w5: v1(2283.48,2739.57) 2263.96,2720.05 2263.96,2421.46 2499.5,2185.92 2499.5,2049.51 XP3.C29@2475,2025.01
  Bottom Layer w6: U1.K3@2263.78,2759.26 v1(2283.48,2739.57)
XP3C_30: U1.K4 XP3.C30 | length 881.8
  Mid-Layer 1 w5: v1(2283.48,2778.93) 2303.11,2759.3 2303.11,2375.44 2500,2178.55 2500,2050.01 XP3.C30@2525,2025.01
  Bottom Layer w6: U1.K4@2263.79,2798.62 v1(2283.48,2778.93)
XP3C_31: U1.J3 XP3.C31 | length 848.5
  Mid-Layer 1 w5: v1(2322.84,2739.57) 2322.84,2737.04 2342.52,2717.36 2342.52,2421.64 2550,2214.16 2550,2050.01 XP3.C31@2575,2025.01 ; XP3.C31@2574.41,2024.42 2575,2023.82 XP3.C31@2575.59,2024.42
  Bottom Layer w6: U1.J3@2303.15,2759.26 v1(2322.84,2739.57)
XP3C_32: U1.J4 XP3.C32 | length 906.9
  Mid-Layer 7 w5: v1(2322.84,2778.93) 2342.52,2759.26 2342.52,2476.8 2600,2219.32 2600,2050.01 XP3.C32@2625,2025.01
  Bottom Layer w6: U1.J4@2303.16,2798.62 v1(2322.84,2778.93)
XP3C_33: U1.G1 XP3.C33 | length 797.2
  Mid-Layer 4 w5: v1(2401.57,2660.83) 2450.79,2611.62 2450.79,2593.89 2699.5,2345.17 2699.5,2049.51 XP3.C33@2675,2025.01
  Bottom Layer w5: U1.G1@2381.89,2680.52 v1(2401.57,2660.83)
XP3C_34: U1.H4 XP3.C34 | length 932.9
  Mid-Layer 1 w5: v1(2362.21,2778.93) 2381.84,2759.3 2381.84,2446.3 2699.5,2128.64 2699.5,2050.51 XP3.C34@2725,2025.01 ; XP3.C34@2724.41,2024.42 XP3.C34@2725,2023.82
  Bottom Layer w6: U1.H4@2342.53,2798.62 v1(2362.21,2778.93)
XP3C_35: U1.G3 XP3.C35 | length 897.9
  Mid-Layer 1 w5: v1(2401.58,2739.57) 2401.58,2738.45 2421.08,2718.95 2421.08,2475.95 2749.5,2147.54 2749.5,2050.51 XP3.C35@2775,2025.01 ; XP3.C35@2775,2023.83 XP3.C35@2775.59,2024.42
  Bottom Layer w6: U1.G3@2381.89,2759.26 v1(2401.58,2739.57)
XP3C_36: U1.E1 XP3.C36 | length 850.5
  Mid-Layer 4 w5: v1(2480.32,2660.83) 2519.68,2660.83 2850,2330.52 2850,2050.01 XP3.C36@2825,2025.01
  Bottom Layer w5: U1.E1@2460.82,2680.33 U1.E1@2460.63,2680.52 v1(2480.32,2660.83)
XP3C_37: U1.C1 XP3.C37 | length 840.3
  Bottom Layer w5: U1.C1@2539.37,2680.52 2608.27,2611.62 2647.64,2611.62 2900,2359.26 2900,2048.82 2875,2023.82 XP3.C37@2875.59,2024.42
XP3C_38: U1.B1 XP3.C38 | length 853.4
  Bottom Layer w5: U1.B1@2578.74,2680.52 2617.93,2641.33 2672.06,2641.33 2950,2363.39 2950,2048.82 2925,2023.82 XP3.C38@2925.59,2024.42
XP3D_3: U1.AE6 XP3.D3 | length 1024.9
  Mid-Layer 2 w5: XP3.D3@1175,2075.01 1175,2229.49 1250,2304.49 1250,2334.08 1594.49,2678.57 1594.49,2826.19 1606.1,2837.8 1633.68,2837.8 v1(1653.56,2857.68)
  Bottom Layer w6: v1(1653.56,2857.68) U1.AE6@1673.23,2877.37